# Altium PCB nPOC-BB_gamma_main-board.PcbDoc (part 2 of 3) (continued)
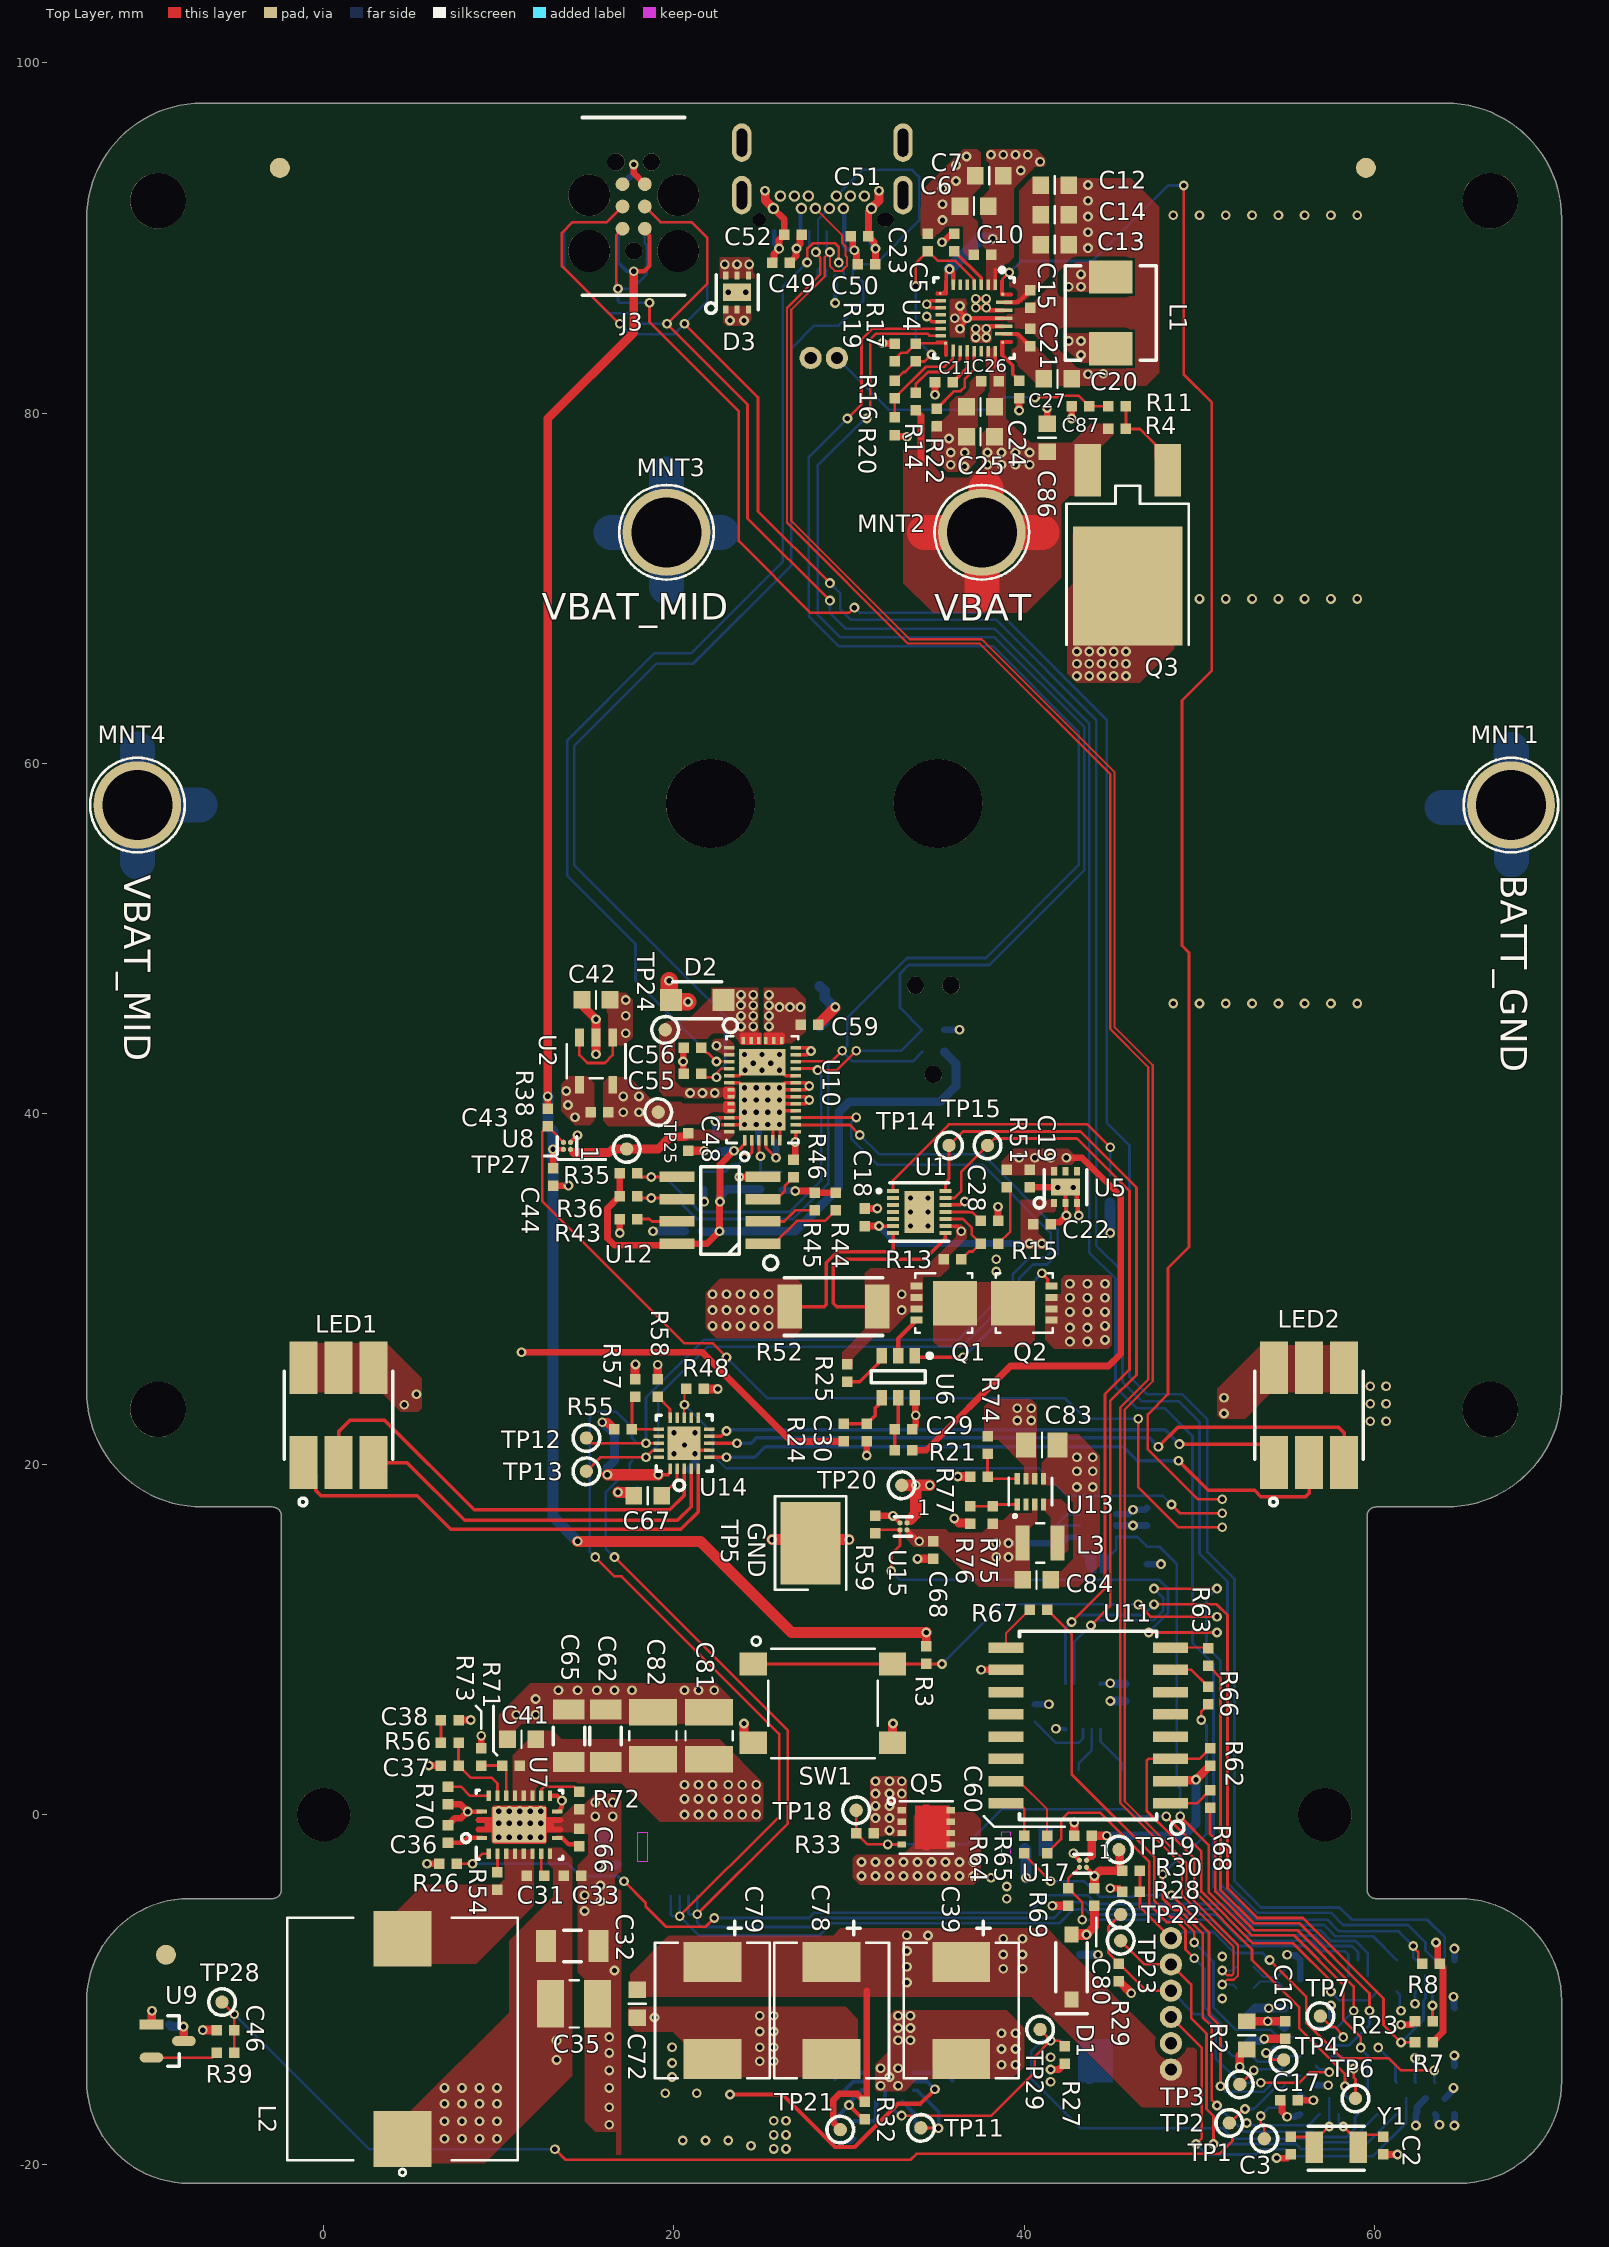
[diagram p0: Top Layer view]
## Part data (continued)
R76: library part CMP-00974-2, "SMD Chip Resistor, 137 kOhm, ± 1%, 63 mW, 0402 [1005 Metric], Thick Film, General Purpose", Case Code (Imperial)=0402, Case Code (Metric)=1005, Max Operating Temperature=155°C, Max Power Dissipation=63mW, Min Operating Temperature=-55°C, Power Rating=62.5mW, Temperature Coefficient=100ppm/°C, Tolerance=1%, Voltage Rating=50V, Case/Package=0402, Contact Plating=Tin,Matte, Features="Moisture Resistant", Height=0.016inch, Install=POP, Lead Free="Lead Free", Length=0.039inch, Number of Terminations=2, Packaging="Tape and Reel", RoHS Compliant=Yes, Series=RC, Technology="THICK FILM", Termination=SMD/SMT, Width=0.5mm, Working Voltage=50V
SB1: library part CMP-00777-4, "0 Ohm solder bridge jumper", Install=DNP
SC1 SC2 SC3 SC4 SC5 SC6: library part CMP-00992-3, "Cylindrical Battery Contacts, Clips, Holders & Springs C Cell Negative Battery Contact", Package Quantity=100, Contact Plating=Nickel, Install=POP, Lead Free="Lead Free", Material=Steel, Number of Batteries=1, Reach SVHC Compliant=No, RoHS Compliant=Yes, Series=-
SW1: library part CMP-011-00000-2, "Switch Tactile N.O. SPST Round Button Gull Wing 0.05A 12VDC 100000Cycles 1.57N SMD T/R", Case/Package=SMD/SMT, Color=Black, Contact Current Rating=50mA, Contact Resistance=100mR, Max Operating Temperature=60°C, Max Voltage Rating (DC)=12V, Min Operating Temperature=-20°C, Operating Force=160gf, Package Quantity=1, Actuator Length=0.85mm, Actuator Material=Nylon,Polyamide,PA66, Actuator Type=Standard, Contact Material=Silver, Contact Plating=Silver, Current Rating=50mA, Depth=9mm, Illumination Type=Non-Illuminated,Illuminated, Install=POP, Lead Free="Lead Free", Length=6mm, Max Current Rating=50mA, Mechanical Life=100000Cycles, Mounting Technology="Surface Mount", Number of Positions=2, Orientation=Straight, Packaging="Tape and Reel", Reach SVHC Compliant=No, RoHS Compliant=Yes, Series=PTS645, Size=6mm, Switch Function=Off-Mom, Termination="Gull Wing", Throw Configuration=SPST, Voltage Rating (DC)=12V
TP1 TP2 TP3 TP4 TP6 TP7 TP11 TP12 TP13 TP14 TP15 TP18 TP19 TP20 TP21 TP22 TP23 TP24 TP25 TP27 TP28 TP29: library part CMP-00021-4, "Test Point Circle 30", Install=DNP
TP5: library part CMP-00809-3, "Test point clip, SMT Phos Bronze/Silver 1000pc Tape & Reel", Color=White, Package Quantity=1, Contact Material=Bronze, Contact Plating=Silver, Depth=2.48mm, Height=0.09inch, Install=POP, Insulation Material=Polycarbonate, Lead Free="Lead Free", Length=3.81mm, Material=Bronze,Silver, Mounting Technology="Surface Mount", Number of Contacts=1, Number of Ports=1, Orientation=Straight, Packaging="Tape and Reel", Reach SVHC Compliant=No, RoHS Compliant=Yes, Series=-, Termination=Solder
U1: library part CMP-00482-3, "MAX17263 Series 4.9 V Single/Multi-Cell Ultra-Low Power Fuel-Gauge IC-TDFN-14EP", Install=POP, RoHS Compliant=Yes
U2: library part CMP-058-000001-2, "Fixed 5V LDO Voltage Regulators LDO CMOS LowCurr SOT25 TR 3K", Output Voltage=5V, Install=POP
U3: library part CMP-00812-4, "IC RTC CLK/CALENDAR I2C 10-SON", Case/Package="DFN EP", Max Operating Temperature=85°C, Max Supply Voltage=5.5V, Min Operating Temperature=-40°C, Min Supply Voltage=900mV, Package Quantity=4000, Date Format=Binary, Install=POP, Interface=I2C, Lead Free="Lead Free", Logic Function=Clock, Mounting Technology="Surface Mount", Packaging="Tape and Reel", Pins=10, Radiation Hardening=No, Reach SVHC Compliant=No, RoHS Compliant=Yes, Time Format=HH:MM:SS
U4: library part CMP-058-000000-7, "I2C Controlled, 1-4 Cell, 5-A Buck-Boost Battery Charger with Dual-Input", Mfr_Name="Texas Instruments", Design Item ID=BQ25792RQMR, Install=POP, RefDes=RefDes, RoHS Compliant=Yes, Source=PQ25792RQMR.SchLib, Type=TYPE
U5: library part CMP-01009-4, "LDO Regulator, 150 mA, 38 V, 1 µA IQ, with PG 3.3V WDFNW6", Input voltage max=38V, Package=WDFNW6, Install=POP, Output="3.3V fixed"
U6: library part CMP-01025-2, "Battery Protection Li-Ion/Li-Pol 6-Pin SOT-23 T/R", Over charge detection voltage=4.25V, Over discharge detection voltage=3V
U7: library part CMP-00928-3, "IC REG BOOST ADJ 10A SYNC 20VQFN", Case/Package=VQFN, Max Operating Temperature=85°C, Max Output Current=10A, Max Output Voltage=12.6V, Max Supply Voltage=12V, Min Input Voltage=2.7V, Min Operating Temperature=-40°C, Min Output Voltage=4.5V, Quiescent Current=110uA, Switching Frequency=2.2MHz, Efficiency=91%, Install=POP, Lead Free="Lead Free", Mounting Technology="Surface Mount", Number of Outputs=1, Operating Supply Voltage=12V, Output Configuration=Positive, Output Current=10A, Output Type=Adjustable, Output Voltage=12.6V, Packaging="Cut Tape", Pins=20, RoHS Compliant=Yes, Series=-, Synchronous Rectifier=Yes, Topology=Boost
U8 U15 U17: library part CMP-00215-5, "IC LOAD SWITCH W/DIS 1.5A 4WLCSP", Max Operating Temperature=85°C, Max Output Current=1.5A, Max Power Dissipation=400mW, Min Operating Temperature=-40°C, On-State Resistance=400mR, Operating Supply Voltage=5.5V, Package Quantity=3000, Halogen Free="Halogen Free", Install=POP, Interface=On/Off, Lead Free="Lead Free", Max Supply Current=1.5A, Mount="Surface Mount", Number of Outputs=1, Number of Pins=4, Output Configuration="High Side", Output Current=1.5A, Packaging="Tape and Reel", Power Dissipation=400mW, RoHS Compliant=Yes, Series=-, Turn-On Delay Time=195us
U9: library part CMP-00955-3, "SENSOR HALL ANALOG SOT23-3 / Hall Effect Sensor Single Axis SOT-23-3", Case/Package=SOT-23, Max Operating Temperature=125°C, Max Output Current=2.3mA, Max Supply Current=3.6mA, Max Supply Voltage=38V, Min Operating Temperature=-40°C, Min Supply Voltage=2.5V, Bandwidth=20kHz, Height=1.22mm, Lead Free="Lead Free", Length=2.92mm, Mounting Technology="Surface Mount", Output Current=2.3mA, Output Type="Analog Voltage", Packaging="Tape and Reel", Pins=3, Radiation Hardening=No, RoHS Compliant=Yes, Sensing Method="Hall Effect", Series="Automotive, AEC-Q100", Thickness=1mm, Width=1.3mm
U10: library part CMP-00653-5, "Highly integrated USB Type-C® and USB PD controller with pre-configured GUI 38-WQFN -40 to 125", Install=POP
U11: library part CMP-00954-4, "MX66L1G45G Series 1 Gb (1 G x 1) 2.7 - 3.6 V SMT Serial Flash Memory - SOP-16", Install=POP, RoHS Compliant=Yes
U12: library part CMP-00660-3, "IC EEPROM 256KBIT 400KHZ 8SOIC", Case/Package=SOIC, Clock Frequency=400kHz, Frequency=1MHz, Max Operating Temperature=85°C, Max Supply Voltage=5.5V, Min Operating Temperature=-40°C, Min Supply Voltage=1.8V, Operating Supply Voltage=5V, Supply Current=3mA, Access Time=500ns, Access Time-Max=900ns, Density=256Kb, Halogen Free="Halogen Free", Height=1.5mm, Install=POP, Interface=I2C,Serial, Lead Free="Lead Free", Length=5mm, Memory Format=Non-Volatile,EEPROM, Memory Size=32000, Mounting Technology="Surface Mount", Nominal Supply Voltage=5.5V, Organization=32KX8, Packaging="Tape and Reel", Pins=8, Radiation Hardening=No, Reach SVHC Compliant=No, RoHS Compliant=Yes, Series=-, Width=4mm, Write Cycle Time-Max (tWC)=5ms, Write Protection=YES
U13: library part CMP-00971-5, "3-V to 17-V, 1-A, high-efficiency, low-IQ, synchronous buck converter in SOT-583 package 8-SOT-5X3 -40 to 150", Install=POP
U14: library part CMP-00912-2, "6-Channel Light Effect LED Driver with I2C Interface 2.7V to 5.5V Input 20-Pin QFN T/R", Case/Package=QFN, Max Operating Temperature=85°C, Max Supply Voltage=5.5V, Min Operating Temperature=-40°C, Output Current per Channel=40mA, Dimming=I²C, Install=POP, Mounting Technology="Surface Mount", Number of Outputs=6, Packaging="Cut Tape", RoHS Compliant=Yes, Series=-
U16: library part CMP-00935-3, "6A/4A, 50-V, 2.2-MHz wide VIN boost, flyback, & SEPIC converter with dual random spread spectrum 16-WQFN -40 to 125", Install=POP
Y1 Y2: library part CMP-00624-3, "RT3215 Series 0.032768 ±20 ppm 9pF -40°C TO +85°C SMT Tuning Fork Crystal", Frequency Tolerance=20ppm, Load Capacitance=9pF, Max Operating Temperature=85°C, Min Operating Temperature=-40°C, Operating Frequency="32.768 kHz", Lead Free="Lead Free", RoHS Compliant=Yes
  Y1: Install=DNP
  Y2: Install=POP

## Free pads (board coordinates)
  round 1.143 smd paste-2539.97 mask+0.5: 1(-9,-8) 1(-2.5,94) 1(59.5,94)
  round 1.143 smd far side paste-2539.97 mask+0.5: 1(-9,-8) 1(-2.5,94) 1(59.5,94)
  round 3.175 hole 3.175 unplated: 2(-9.45,23.13) 2(-9.45,92.13) 2(66.6,23.13) 2(66.6,92.13)
  round 3.048 hole 3.048 unplated: 2(0,0) 2(57.15,0)
  round 5.08 hole 5.08 unplated: 2(22.075,57.721) 2(35.075,57.721)

## Via types
v1: diameter 0.559, hole 0.305, Top Layer to Bottom Layer, tented both sides, 632 vias

## Nets (pads, with @x,y where several pads share a name; then routed paths per layer and width w, separated by ;. In a path a pad name is that pad's centre, name@x,y a point inside that pad or via, vN(x,y) a via of type N, cw(c..) or ccw(c..) an arc to the next point about the centre after c; other vN are vias at no path point)
3V3: C44.2 C68.2 C80.2 C84.2 J3.1 J4.1 L3.2 Q6.4 R2.1 R3.2 R23.2 R29.2 R30.1 R37.2 R38.2 R69.1 R75.2 SB1.2 TP19.1 U8.A2 U13.3 U15.A2 U17.A2 | length 122.1
  Top Layer w0.25: v1(13.095,37.978) U8.A2@13.695,37.977 ; v1(17.7,88.1) 18.3,88.1 18.6,88.4 18.6,90.12 18.335,90.385 J3.1@18.335,90.53 ; U15.A2@33.3,16.254 33.313,16.254 33.967,15.6 v1(34,15.6) ; U17.A2@43.546,-3.007 43.546,-3.021 44,-3.474 v1(44,-3.5)
  Top Layer w0.381: R38.2@12.8,40.3 v1(12.8,41) ; v1(13.095,37.978) 13.1,37.972 C44.2@13.1,36.9 ; v1(61.5,-12) 62.1,-12 R23.2@62.3,-11.8
  Top Layer w0.5: v1(12.8,41) 12.8,79.7 17.7,84.6 v1(17.7,88.1) ; R3.2@34.4,9.6 v1(34.4,10.4) ; v1(41.6,-5.2) R69.1@42.5,-5.2 ; C80.2@44,-4.2 v1(44,-3.5) 44.3,-3.2 R30.1@45.6,-3.2 45.442,-3.042 TP19.1@45.442,-2.05 ; R29.2@45.4,-9.5 v1(46.1,-10.2) ; v1@52.3,-14.384 52.3,-13.75 52.65,-13.4 R2.1@52.7,-13.4
  Top Layer w0.635: v1(14.5,15.6) 21.5,15.6 26.7,10.4 v1(34.4,10.4)
  Bottom Layer w0.25: J4.1@17.065,90.53 17.065,90.385 16.8,90.12 16.8,88.6 17.287,88.113 17.687,88.113 v1(17.7,88.1) ; Q6.4@43.161,15.85 43.161,15.134 SB1.2@43.895,14.4
  Bottom Layer w0.3: R37.2@41.8,15.5 41.918,15.618 42.318,15.618 42.541,15.841 43.152,15.841 Q6.4@43.161,15.85
  Bottom Layer w0.381: v1(39.1,15.5) R37.2@41.8,15.5
  Bottom Layer w0.635: v1(12.8,41) 12.8,39.3 13.095,39.005 13.095,17.005 v1(14.5,15.6)
  other v1: 52.3,-14.4 38.4,14.7 39.1,14.7 38.4,15.5
3V3_FG_RTC: C4.1 C18.1 C22.2 U1.6 U3.10 U5.1 | length 12.8
  Top Layer w0.2: v1(31.7,33.6) U1.6@32.504,33.6
  Top Layer w0.381: C18.1@30.9,33.6 v1(31.7,33.6)
  Bottom Layer w0.25: U3.10@44.346,7.47 44.346,7.483 44.348,7.485 44.885,7.485 v1(44.9,7.5)
  Bottom Layer w0.381: v1(31.7,33.6) 32.7,32.6 v1(41,32.6) ; v1(44.9,7.5) v1@44.93,7.47
  Bottom Layer w0.5: v1@44.93,7.47 C4.1@45.746,7.47
  other v1: 40.3,32.6
3V3_FLASH: C47.2 C60.2 R62.1 U11.2 U17.A1 | length 13.8
  Top Layer w0.25: U17.A1@43.546,-2.607 43.593,-2.607 43.846,-2.354
  Top Layer w0.5: 43.846,-2.354 C60.2@43.846,-1.207 ; C60.2@43.853,-1.2 v1(44.7,-1.2) ; U11.2@48.345,1.918 48.395,1.968 49.752,1.968 49.784,2 v1(49.8,2) R62.1@50.6,2.8
  Bottom Layer w0.5: C47.2@43.846,-1.207 44.693,-1.207 v1(44.7,-1.2) 49.1,-1.2 49.8,-0.5 v1(49.8,2)
3V3_L: L3.1 U13.4
3V3_PD: C48.2 TP27.1 U8.A1 U10.38 | length 7.3
  Top Layer w0.25: U8.A1@14.095,37.977 14.272,37.8
  Top Layer w0.5: 14.272,37.8 16.3,37.8 16.5,38 19.1,38 19.795,38.695 20.622,38.695 C48.2@20.822,38.895
3V3_PD_EN: MD1.58 R38.1 U8.B2 | length 87.6
  Top Layer w0.152: U8.B2@13.695,38.378 12.8,39.272 R38.1@12.8,39.3 12.476,38.976 12.476,35.024 20.6,26.9 22.226,26.9 23,26.126 v1(23,26.1) ; v1(46.5,22.6) 46.5,18.7 48.8,16.4 v1@51.289,16.4
  Layer 2 w0.152: v1(51.3,16.4) 53.3,14.4 53.3,-1.9 61.5,-10.1 v1(61.5,-11.2)
  Bottom Layer w0.152: v1(23,26.1) 25.335,23.765 42.335,23.765 43.5,22.6 v1(46.5,22.6) ; MD1.58@61.25,-10.1 61.428,-10.278 61.428,-11.128 v1(61.5,-11.2)
3V3_R: C16.2 C17.2 MD1.17 MD1.65 R2.2 | length 11
  Top Layer w0.381: C17.2@55.6,-16.3 v1(56.5,-16.3)
  Top Layer w0.5: R2.2@52.7,-11.8 v1(53.9,-11.8) C16.2@54.9,-11.8
  Layer 3 w0.5: v1(53.9,-11.8) 54.5,-11.8 54.8,-12.1 54.8,-14.6 v1(56.5,-16.3)
  Bottom Layer w0.381: MD1.17@55.75,-16 56.05,-16.3 v1(56.5,-16.3)
  Bottom Layer w0.5: v1@53.916,-11.8 54.5,-11.8 MD1.65@54.846,-12.146
3V3_SW: C45.2 C63.2 C64.2 J2.1 J2.2 LED1.4 LED1.5 LED1.6 LED2.4 LED2.5 LED2.6 R5.2 R6.2 R7.2 R8.2 R55.2 TP20.1 U9.1 U14.1 U15.A1 | length 19.2
  Top Layer w0.2: v1(19.1,19.4) 19.659,19.4 19.776,19.517 U14.1@19.776,19.754
  Top Layer w0.25: U15.A1@33.3,16.654 33.5,16.854 ; 33.8,17.154 33.901,17.054
  Top Layer w0.381: R7.2@63.3,-13 63.903,-12.397 63.903,-8.703 63.591,-8.391 63.591,-7.439 63.5,-7.348 v1(63.5,-7.3)
  Top Layer w0.5: U9.1@-9.826,-11.971 -9.811,-11.957 -9.811,-11.211 v1(-9.8,-11.2) ; v1(15.9,22.4) 16.2,22.4 R55.2@16.6,22
  Top Layer w0.635: v1(16.2,19.4) v1(19.1,19.4) ; TP20.1@33,18.8 v1(33.8,18.8) ; 33.5,16.854 33.8,17.154 v1(33.8,18.8) ; v1(34.6,18.8) v1(33.8,18.8)
  Bottom Layer w0.5: v1(15.9,22.4) 16.6,21.7 R6.2@16.6,21.5 R5.2@16.6,20.2 16.211,19.811 16.211,19.411 v1(16.2,19.4)
  other v1: 51.4,22.9 4.6,23.4 51.4,23.8 5.3,24
5V: C1.2 C43.2 MD1.66 Q6.2 R31.2 TP25.1 U2.5 U10.34 U10.35 | length 4.1
  Bottom Layer w0.381: Q6.2@45.239,16.5 R31.2@47,16.5
  Bottom Layer w0.5: C1.2@52.7,-11.5 52.725,-11.5 53.186,-11.039 53.939,-11.039 v1(53.95,-11.05) MD1.66@54.85,-11.05
  other v1: 46.2,16.5 38.4,31 38.4,31.7 17.1,40.1 18,40.1 17.1,41 18,41
A0: R44.2 U12.1 | length 4.9
  Top Layer w0.152: U12.1@25.073,32.59 25.717,32.59 27.023,33.895 28.623,33.895 R44.2@29.222,34.495
A1: R45.2 U12.2 | length 3.2
  Top Layer w0.152: U12.2@25.073,33.86 26.287,33.86 26.922,34.495 R45.2@28.022,34.495
A2: R46.2 U12.3 | length 2.4
  Top Layer w0.152: U12.3@25.073,35.13 25.296,35.354 26.081,35.354 26.323,35.595 26.323,35.895 R46.2@26.822,36.395
AD: R55.1 R57.2 U14.16 | length 3.5
  Top Layer w0.152: R57.2@17.776,23.854 17.6,23.678 R55.1@17.6,22 17.604,22.004 U14.16@19.126,22.004
ADCIN1: R41.1 R49.2 U10.2 | length 3.8
  Top Layer w0.152: v1@24.106,37.479 24.122,37.495 24.148,37.495 24.449,37.797 U10.2@24.449,38.488
  Bottom Layer w0.152: R49.2@21.722,36.695 R41.1@22.922,36.695 23.323,37.095 23.623,37.095 v1(24.022,37.495)
ADCIN2: R42.1 R50.2 U10.3 | length 3
  Top Layer w0.152: U10.3@24.849,38.488 24.849,37.669 v1(24.936,37.582)
  Bottom Layer w0.152: v1(24.936,37.582) 24.936,36.708 R42.1@24.923,36.695 R50.2@26.122,36.695
BATP: R14.2 U4.18 | length 4.1
  Top Layer w0.152: R14.2@33.8,81.154 33.8,81.654 34.5,82.354 35.6,82.354 36.331,83.085 U4.18@36.331,83.547
BATT_DISCONN: Q3.1 R4.1 R11.2 | length 5.1
  Top Layer w0.152: R11.2@45.8,80.4 R4.1@45.8,79.1 46.6,79.1 47.511,78.189 47.511,77.417 Q3.1@48.185,76.743
BATT_GND: C29.1 C30.1 MNT1.1 Q2.1 Q2.2 Q2.3 SC1.1 SC2.1 SC3.1 U6.6 | length 27
  Top Layer w0.381: v1(31,20.5) C30.1@31,21.3 ; C29.1@33.6,22 33.8,22.2 v1(33.8,22.8) 33.775,22.825 33.775,23.675 U6.6@33.75,23.7
  Layer 2 w2: 64.2,57.7 64.27,57.63 MNT1.1@67.78,57.63 ; 67.8,53.9 67.78,53.92 MNT1.1@67.78,57.63 ; 67.8,61.2 67.78,61.18 MNT1.1@67.78,57.63
  Bottom Layer w2: 63.85,57.5 67.65,57.5 MNT1.1@67.78,57.63 67.78,60.78 67.8,60.8 67.8,54.5
  other v1: 59.75,22.45 60.65,22.45 59.75,23.45 60.65,23.45 59.75,24.45 60.65,24.45 42.6,27 43.6,27 44.6,27.1 42.6,27.8 43.6,27.8 44.6,27.9 42.6,28.7 43.6,28.7 44.6,28.7 42.6,29.5 43.6,29.5 44.6,29.5 42.6,30.3 43.6,30.3 44.6,30.3 48.5,46.3 50,46.3 51.5,46.3 53,46.3 54.5,46.3 56,46.3 57.5,46.3 59,46.3 50,69.4 51.5,69.4 53,69.4 54.5,69.4 56,69.4 57.5,69.4 59,69.4 48.5,91.3 50,91.3 51.5,91.3 53,91.3 54.5,91.3 56,91.3 57.5,91.3 59,91.3
BP_VC: C30.2 R24.2 U6.4 | length 3.1
  Top Layer w0.2: R24.2@29.7,22.3 C30.2@31,22.3 31.5,22.8 31.5,23.233 31.617,23.35 31.65,23.35 31.85,23.55 U6.4@31.85,23.7
BP_VDD: C29.2 R21.2 U6.5 | length 3
  Top Layer w0.2: R21.2@32.6,20.8 C29.2@32.6,22 32.8,22.2 U6.5@32.8,23.7
BQ_IN: C6.2 C7.2 C8.2 C9.2 C10.2 C57.2 C58.2 C59.2 U4.2 U4.3 U4.8 U4.9 U10.20 U10.21 U10.22 | length 6.8
  Top Layer w0.2: U4.9@35.193,86.835 35.343,86.835 35.531,87.022 35.531,88.022 v1(35.731,88.222) ; U4.2@38.331,87.322 38.331,88.222
  Top Layer w0.25: v1(35.731,88.222) 35.931,88.022 U4.8@35.931,87.322
  Bottom Layer w0.7: v1(35.731,88.222) 37.462,89.954 v1(38.2,89.954)
  other v1: 25.422,44.995 25.422,45.595 26.022,46.095 26.622,46.095 27.222,46.095 25.422,46.195 25.422,46.795 39.8,93.854 40.9,94.354 38.1,94.754 38.8,94.754 39.5,94.754 40.2,94.754
BRAKE_N: J1.1 MD1.48 R28.1 R30.2 | length 24.6
  Top Layer w0.152: R30.2@46.6,-3.2 R28.1@46.6,-4.4 46.6,-5.28 J1.1@48.37,-7.05 ; v1(54,-8.3) 56.1,-10.4 56.1,-11.9 58.1,-13.9 60.8,-13.9 61.5,-14.6 v1(63.4,-14.6)
  Bottom Layer w0.152: J1.1@48.37,-7.05 48.668,-7.05 49.018,-6.7 50.8,-6.7 52,-7.9 53.6,-7.9 v1(54,-8.3) ; v1(63.4,-14.6) 63.4,-15.25 MD1.48@63.45,-15.3
BTST1: C5.2 U4.4 | length 2.6
  Top Layer w0.2: C5.2@36,89.254 37.531,87.722 U4.4@37.531,87.322
BTST2: C11.2 U4.19 | length 2.2
  Top Layer w0.2: C11.2@35.9,81.754 36.731,82.585 36.731,82.785 U4.19@36.731,83.562
CELLX: R13.1 R15.1 U1.10 | length 4.3
  Top Layer w0.152: U1.10@35.496,34 36.5,34 37,33.5 37,33.1 R15.1@37.5,32.6 37.05,32.15 36.85,32.15 R13.1@36.4,31.7
CHG_STAT: MD1.60 R23.1 U4.1 | length 129.1
  Top Layer w0.152: U4.1@38.762,86.791 38.762,87.654 v1(39.143,88.035) ; v1(49.1,93) 49.1,82.2 50.7,80.6 50.7,65.3 49,63.6 49,49.6 49.4,49.2 49.4,32.4 48.2,31.2 48.2,24 47.05,22.85 47.05,20.85 49.9,18 v1@51.289,18 ; R23.1@63.3,-11.8 v1(63.3,-10.9) v1@63.317,-10.883
  Layer 2 w0.152: v1(51.3,18) 54.1,15.2 54.1,-1.4 62.7,-10 62.7,-10.3 v1(63.3,-10.9)
  Bottom Layer w0.152: v1(39.143,88.035) 39.797,88.689 43.889,88.689 48.2,93 v1(49.1,93) ; v1(63.3,-10.9) 63.3,-10.25 MD1.60@63.45,-10.1
CHG_THERM: R17.1 R19.2 U4.16 | length 3.4
  Top Layer w0.152: R19.2@32.5,82.954 33,83.454 33.3,83.454 R17.1@33.8,83.954 ; R17.1@33.837,83.991 U4.16@35.5,83.991
COUT: Q1.4 U6.2 | length 2.6
  Top Layer w0.25: U6.2@32.8,26.1 32.8,27.175 Q1.4@33.85,28.225
CW/CCW: J1.4 MD1.6 | length 22.8
  Top Layer w0.152: J1.4@48.37,-11.55 50.121,-13.301 50.121,-18.479 v1(49.8,-18.8)
  Bottom Layer w0.152: v1(49.8,-18.8) 50.4,-19.4 53.2,-19.4 53.5,-19.1 54.9,-19.1 55.3,-19.5 59.9,-19.5 61.8,-17.6 MD1.6@61.8,-16.2
DOUT: Q2.4 U6.1 | length 10.4
  Top Layer w0.2: U6.1@33.75,26.1 v1(36.5,26.1) ; v1(41,30.9) 41.339,30.561 41.339,30.275 41.439,30.175 Q2.4@41.55,30.175
  Bottom Layer w0.2: v1(36.5,26.1) 40.3,29.9 40.3,30.2 v1(41,30.9)
DRAIN: U10.15 U10.30 U10.40 | length 2.1
  Top Layer w0.2: U10.30@23.149,42.188 23.729,42.188 24.036,42.495 v1(24.055,42.495) ; v1(26.022,42.495) 26.062,42.495 26.369,42.188 U10.15@26.949,42.188
  other v1: 25.023,42.495 24.522,42.895 25.522,42.895 24.022,43.395 25.023,43.395 26.022,43.395
FLASH_PWR_EN: MD1.31 R69.2 U17.B2 | length 18.1
  Top Layer w0.152: U17.B2@43.146,-3.007 42.5,-3.653 R69.2@42.5,-4.2 43.3,-5 v1(43.3,-6)
  Bottom Layer w0.152: v1(43.3,-6) 50.7,-6 52.2,-7.5 56.05,-7.5 MD1.31@56.85,-8.3
FLASH_RESET_N: MD1.12 R62.2 U11.3 | length 28
  Top Layer w0.152: R62.2@50.6,3.8 49.988,3.188 U11.3@48.345,3.188 47.077,3.188 46.988,3.099 46.988,0.212 48.4,-1.2 49.7,-2.5 49.7,-4.4 53,-7.7 53,-8.3 55.7,-11 55.7,-12.2 58.3,-14.8 v1(58.3,-15.5)
  Bottom Layer w0.152: v1(58.3,-15.5) 58.322,-15.522 58.322,-16.022 MD1.12@58.5,-16.2
GND: C1.1 C2.1 C3.1 C4.2 C6.1 C7.1 C8.1 C9.1 C10.1 C12.1 C13.1 C14.1 C15.1 C16.1 C17.1 C19.1 C20.1 C21.1 C22.1 C23.1 C24.1 C25.1 C26.1 C27.1 C32.1 C33.2 C34.2 C35.1 C36.1 C37.1 C38.1 C39.2 C40.1 C41.1 C42.1 C43.1 C44.1 C45.1 C46.1 C47.1 C48.1 C49.1 C50.1 C51.1 C52.1 C53.1 C54.1 C55.1 C56.1 C57.1 C58.1 C59.1 C60.1 C61.1 C62.1 C63.1 C64.1 C65.1 C66.1 C67.2 C68.1 C69.1 C70.1 C71.1 C72.1 C73.1 C74.1 C75.1 C76.1 C78.2 C79.2 C80.1 C81.1 C82.1 C83.1 C84.1 C85.1 C86.1 C87.2 D1.A D2.A D3.1 D3.2 D3.3 D3.7 D4.3 D4.8 J2.39 J2.40 J2.MNT1 J2.MNT2 J3.5 J4.5 J7.13 J7.14 J7.15 J7.16 J7.A1 J7.A12 J7.B1 J7.B12 J8.4 J9.2 MD1.1 MD1.2 MD1.3 MD1.4 MD1.5 MD1.16 MD1.18 MD1.29 MD1.30 MD1.45 MD1.46 MD1.47 MD1.55 Q4.1 Q4.2 Q4.3 Q5.1 Q5.2 Q5.3 Q6.1 R1.1 R12.2 R19.1 R20.1 R22.1 R26.2 R27.2 R28.2 R31.1 R33.1 R34.1 R40.1 R43.1 R44.1 R45.1 R46.1 R48.2 R49.1 R50.1 R52.1 R57.1 R58.2 R59.2 R60.1 R61.1 R70.1 R72.1 R73.1 R76.1 R77.1 SW1.3 SW1.4 TP5.1 U1.7 U2.2 U2.4 U3.5 U4.10 U4.11 U4.13 U4.27 U5.2 U5.3 U5.EP U7.11 U7.12 U7.20 U7.21 U8.B1 U9.3 U10.5 U10.6 U10.7 U10.10 U10.11 U10.12 U10.13 U10.14 U10.18 U10.19 U10.26 U10.27 U10.31 U10.36 U10.37 U10.39 U11.10 U12.4 U13.5 U14.7 U14.21 U15.B1 U16.1 U16.7 U16.15 U16.16 U16.17 U17.B1 | length 150.8
  Top Layer w0.152: U10.39@25.049,40.423 25.649,39.823 U10.5@25.649,38.488 ; v1(26.022,39.395) 26.049,39.369 U10.6@26.049,38.488
  Top Layer w0.2: U14.21@21.404,20.804 U14.7@22.026,20.804 ; U10.31@23.149,41.788 23.719,41.788 24.012,41.495 v1(24.022,41.495) ; v1(24.022,39.395) 24.015,39.388 22.54,39.388 22.366,39.561 v1(22.366,39.588) 22.566,39.788 23.824,39.788 24.022,39.986 v1(24.022,40.095) ; v1(26.022,40.095) 26.115,40.188 U10.10@26.949,40.188 ; R52.1@26.45,29 28.583,29 28.7,29.117 28.7,31.5 29.327,32.127 32.387,32.127 32.504,32.244 U1.7@32.504,33.2 ; v1(26.922,38.395) 26.949,38.422 U10.7@26.949,38.988 ; U10.18@26.949,43.388 27.615,43.388 v1(27.822,43.595) 27.63,43.788 U10.19@26.949,43.788 ; v1(34.431,85.522) 34.731,85.222 U4.13@35.231,85.222 ; U4.11@35.231,86.022 34.631,86.022 v1(34.431,86.222) 34.631,86.422 U4.10@35.231,86.422 ; v1(26.022,40.795) 26.23,40.588 U10.11@26.949,40.588 27.515,40.588 v1(27.722,40.795) 27.53,40.988 U10.12@26.949,40.988 26.215,40.988 v1(26.022,40.795) ; v1(26.022,41.495) 26.13,41.388 U10.13@26.949,41.388 27.515,41.388 v1(27.722,41.595) 27.53,41.788 U10.14@26.949,41.788 26.315,41.788 v1(26.022,41.495)
  Top Layer w0.25: v1(8.228,0.172) U7.20@9.024,0.172 ; v1(11.2,-1.3) v1(11.2,-0.5) ; U7.12@12.924,1.072 13.328,1.072 v1(13.6,0.8) 13.6,0.4 13.372,0.172 U7.11@13.324,0.172 ; U8.B1@14.095,38.378 v1(14.495,38.777) ; v1(21.2,20.6) U14.21@21.404,20.804 ; v1(32.5,17.054) U15.B1@32.899,16.654 ; v1@35.931,85.422 v1(36.031,85.422) v1(36.731,85.422) ; v1(36.331,84.822) 36.331,84.922 36.731,85.322 v1(36.731,85.422) ; v1(36.331,86.122) 36.331,85.822 v1(36.731,85.422) ; U4.27@38.831,85.422 v1(36.731,85.422) ; v1(42.4,34.2) 42.375,34.225 42.375,34.825 42.35,34.85 U5.EP@42.35,35.825 42.775,35.825 v1(42.8,35.8) ; U5.EP@42.5,35.825 42.663,35.662 42.788,35.662 43,35.45 43,34.775 43.046,34.729 43.046,34.254 v1(43.1,34.2) ; v1(42.8,-2.2) 42.8,-2.261 U17.B1@43.146,-2.607
  Top Layer w0.381: v1(5.9,-2.8) R26.2@6.6,-2.8 ; v1(6,2.8) C37.1@6.7,2.8 ; C36.1@7.1,-0.6 7.5,-0.2 7.855,-0.2 v1(8.228,0.172) 7.8,0.6 R70.1@7.1,0.6 ; C38.1@7.7,5.4 v1(8.4,5.4) ; R73.1@9,3.8 v1(9,4.5) ; v1@10.9,5.7 v1(11,5.7) ; C44.1@13.1,35.9 13.102,35.903 13.975,35.903 v1(13.978,35.905) ; v1(16.5,0.7) v1@16.5,0.8 ; v1(16.9,33.2) R43.1@16.9,34 ; v1(17.7,94.2) 17.7,93.705 J3.5@18.335,93.07 ; C55.1@20.522,42.295 v1(20.522,42.995) C56.1@20.522,43.795 ; v1(23.723,36.395) 23.727,36.4 U12.4@25.073,36.4 U12.4@25.717,36.4 ; C49.1@25.6,88.594 25.709,88.703 25.709,89.082 26,89.372 v1(26,89.394) 26,89.894 C52.1@26.3,90.194 26.3,91.064 J7.B12@25.67,91.694 ; R46.1@26.822,37.395 26.922,37.495 v1(26.922,38.395) ; v1(26.922,35.595) 27.922,35.595 R45.1@28.022,35.495 R44.1@29.222,35.495 ; J7.B1@31.27,91.694 31.1,91.524 C51.1@31.1,90.094 31.425,89.769 31.425,89.469 v1(31.5,89.394) ; R59.2@31.5,17.054 v1(32.5,17.054) ; C50.1@31.5,88.5 v1(31.5,89.394) ; v1(31.9,84) 31.923,83.977 32.576,83.977 R19.1@32.6,83.954 ; R20.1@32.6,78.754 32.666,78.688 33.266,78.688 v1(33.3,78.654) ; v1(37.532,8.268) U11.10@38.947,8.268 ; v1(39.7,80.154) C27.1@39.7,80.854 ; C19.1@40.3,35.8 40.312,35.813 U5.EP@41.925,35.813 ; C86.1@41.3,79.4 v1(41.3,80.3) ; v1(41.5,-14.554) 41.975,-14.554 R27.2@42.3,-14.229 ; C22.1@41.5,33.7 41.609,33.81 42.009,33.81 v1(42.4,34.2) ; v1(41.9,35.8) 41.925,35.825 U5.EP@42.35,35.825 ; v1(42.7,79.7) C87.2@42.7,80.4 ; v1(44.9,-4.2) 45.4,-4.2 R28.2@45.6,-4.4 ; v1(54.4,-19.6) 54.407,-19.607 54.993,-19.607 C3.1@55.2,-19.4 ; C17.1@54.6,-16.3 54.709,-16.409 54.709,-16.961 v1(55,-17.252) ; C2.1@60.5,-19.4 61.2,-19.4 v1(61.3,-19.4)
  Top Layer w0.5: v1(-8,-12.1) -7.989,-12.111 -7.989,-12.908 U9.3@-7.975,-12.921 ; v1(-6.9,-12.3) C46.1@-6.1,-12.3 ; C42.1@14.751,46.506 14.751,46.206 v1(15.551,45.406) U2.2@15.551,44.359 v1(15.551,43.406) ; R57.1@17.776,24.854 17.776,25.676 v1(17.8,25.7) ; R58.2@19.076,24.854 v1(19.076,25.676) ; C48.1@20.872,37.895 v1(21.722,37.895) ; R48.2@21.7,24.3 v1(22.5,24.3) ; v1(24,5.2) 24,4.5 24.4,4.1 SW1.3@24.525,4.1 ; v1(25.2,92.7) 25.211,92.689 25.211,92.152 J7.B12@25.641,91.722 ; J7.B1@31.27,91.694 31.7,92.124 v1(31.7,92.7) ; SW1.4@32.475,4.1 32.475,5.175 v1(32.5,5.2) ; v1(33.9,14.6) C68.1@34.8,14.6 ; v1(36,16.9) 36.016,16.9 36.266,16.65 36.85,16.65 R76.1@36.9,16.6 ; v1(36.2,19.3) R77.1@36.9,19.3 ; C60.1@42.846,-1.207 v1(42.846,-0.446) ; v1(43.55,-6.85) 44,-6.4 C80.1@44,-5.2 ; v1(53.7,-12.8) C16.1@54.9,-12.8
  Top Layer w0.6: C59.1@28.222,45.095 v1@29.2,46.073
  Top Layer w0.635: v1(16.8,18.4) 16.818,18.382 17.542,18.382 17.7,18.225 C67.2@17.7,18.2 ; v1(25.6,15.7) 27.6,15.7 TP5.1@27.8,15.5 28,15.7 v1(30,15.7) ; D1.A@42.7,-6.85 v1(43.55,-6.85)
  Top Layer w1: v1(19.722,47.595) 19.722,46.495 19.822,46.395 v1(20.797,46.395)
  Bottom Layer w0.24: v1(31.795,-15.48) 32.045,-15.73 U16.7@32.045,-16.38
  Bottom Layer w0.25: J7.A1@25.72,90.384 25.72,89.674 v1(26,89.394) ; v1(29.2,86.294) D4.3@29.2,87.819 ; J7.A12@31.22,90.384 31.22,89.674 v1(31.5,89.394) ; v1(41.8,4.9) 41.81,4.89 42.344,4.89 42.346,4.888 U3.5@42.346,4.879
  Bottom Layer w0.381: J4.5@17.065,93.07 17.7,93.705 v1(17.7,94.2) ; v1(21.722,34.995) R49.1@21.722,35.695 ; v1(22.366,39.588) 22.366,38.951 C53.1@22.523,38.795 ; v1(24.697,39.395) 24.697,39.347 24.823,39.222 C54.1@24.823,38.395 ; R50.1@26.16,35.658 26.188,35.629 26.888,35.629 v1(26.922,35.595) v1@26.949,35.595 ; J8.4@35.435,44.8 v1(36.3,44.8) ; R12.2@40.6,6.3 v1(41.4,6.3) ; Q6.1@45.239,17.15 45.95,17.15 v1(46.2,17.4) 46.9,17.4 R31.1@47,17.5 ; R40.1@47,14.3 v1(47.8,14.3) ; v1(55,-17.252) 55.463,-17.252 55.552,-17.163 55.686,-17.163 MD1.16@55.75,-17.1 ; v1(55,-8) 55.034,-8.034 55.484,-8.034 MD1.30@55.75,-8.3 MD1.29@55.75,-9.4 ; MD1.18@56.65,-15.45 v1(57.35,-15.45) ; v1(57.5,-10.9) 57.525,-10.925 57.525,-11.575 MD1.55@57.55,-11.6 ; v1(62.35,-17.75) MD1.5@62.35,-17.1 62.413,-17.036 62.413,-16.686 MD1.4@62.9,-16.2 ; MD1.3@63.45,-17.1 63.513,-17.163 63.513,-17.465 63.7,-17.652 v1(63.7,-17.7) ; MD1.2@64,-16.2 64.466,-15.734 64.466,-15.634 v1(64.5,-15.6) ; v1(64.5,-10.4) 64.525,-10.425 64.525,-11.025 MD1.46@64.55,-11.05 ; v1(64.55,-17.75) MD1.1@64.55,-17.1 ; MD1.47@64.55,-14.35 v1(64.55,-13.75) ; MD1.45@64.55,-8.3 v1(64.55,-7.65)
  Bottom Layer w0.5: C45.1@-8.8,-12 -8.7,-12.1 v1(-8,-12.1) ; v1(15.7,-2.9) 16.696,-2.9 J2.MNT1@16.767,-2.829 ; v1(16.8,18.4) 16.816,18.4 16.866,18.45 17.85,18.45 C63.1@17.9,18.5 ; v1(18.8,33.3) C61.1@20.6,33.3 ; C64.1@20.9,19.7 21.2,20 v1(21.2,20.6) ; C47.1@42.846,-1.207 v1(42.846,-0.446) ; C40.1@43.2,-8 v1(44.2,-8) ; v1(44.911,6.489) 45.728,6.489 C4.2@45.746,6.47 ; C1.1@52.7,-13.1 52.889,-12.911 53.573,-12.911 53.684,-12.8 v1(53.7,-12.8)
  Bottom Layer w0.6: C57.1@28.323,44.995 28.598,45.27 28.598,45.498 v1@29.161,46.061 ; C58.1@28.323,47.295 28.598,47.02 28.598,46.625 v1@29.161,46.061 ; v1@29.2,46.023 v1@29.161,46.061 ; v1(29.2,46.1) v1@29.161,46.061
  Bottom Layer w0.635: J2.MNT2@40.025,-1.947 40.1,-2.022 v1(40.1,-3.6)
  other v1: 25.695,-19.08 26.395,-19.08 24.4,-18.9 20.5,-18.6 21.8,-18.6 23.1,-18.6 25.695,-18.28 26.395,-18.28 16.3,-17.7 25.695,-17.48 26.395,-17.48 16.3,-16.7 16.3,-15.6 32.795,-15.48 41.5,-15.254 32.295,-14.98 16.3,-14.6 31.795,-14.48 32.795,-14.48 38.695,-14.28 39.495,-14.28 24.895,-14.08 25.695,-14.08 41.5,-13.854 16.3,-13.6 38.695,-13.38 39.495,-13.38 24.895,-13.28 25.695,-13.28 32.795,-12.88 33.495,-12.88 16.3,-12.7 38.695,-12.48 39.495,-12.48 24.895,-12.38 25.695,-12.38 32.795,-12.18 33.495,-12.18 18.895,-11.58 24.895,-11.48 25.695,-11.48 32.795,-11.48 33.495,-11.48 51.3,-10.5 16.6,-8.9 51.3,-8.1 14.9,-5.5 15.8,-4.95 39,-4.8 14.9,-4.6 39,-4.1 15.8,-4.05 38.1,-3.6 10,-1.3 10.6,-1.3 11.8,-1.3 12.4,-1.3 32.3,-0.9 10,-0.5 10.6,-0.5 11.8,-0.5 12.4,-0.5 31.5,-0.2 32.3,-0.2 15.5,-0.1 16.5,-0.1 10,0.2 10.6,0.2 11.2,0.2 11.8,0.2 12.4,0.2 31.5,0.5 32.3,0.5 15.5,0.7 31.5,1.2 32.3,1.2 33,1.2 31.5,1.9 32.3,1.9 33,1.9 12.1,5.7 12.1,6.6 13.4,7.1 14.5,7.1 15.6,7.1 16.6,7.1 17.6,7.1 20.6,7.1 21.4,7.1 22.3,7.1 43,18.7 43.9,18.7 43,19.6 43.9,19.6 43,20.4 43.9,20.4 20,20.6 20.6,21.1 20,21.8 21.2,21.8 22.2,27.9 23,27.9 23.8,27.9 24.6,27.9 25.4,27.9 22.2,28.8 23,28.8 23.8,28.8 24.6,28.8 25.4,28.8 22.2,29.7 23,29.7 23.8,29.7 24.6,29.7 25.4,29.7 25.348,39.395 14.351,39.806 24.697,40.095 25.348,40.095 13.951,40.506 24.022,40.795 24.697,40.795 25.348,40.795 13.851,41.306 24.697,41.495 25.348,41.495 22.422,43.895 36.581,76.954 35.8,77.054 35.8,77.754 36.6,77.754 35.7,78.554 43.631,82.222 44.5,82.254 23.2,85.294 24,85.294 23.1,86.894 24.1,86.894 43.631,89.422 43.631,90.322 35.331,91.022 43.631,91.222 35.331,91.922 43.631,92.122 35.331,92.822 43.631,93.022 36.1,93.254 36.1,94.154 36.7,94.654
GND_CHG_DSG: Q1.5 Q1.6 Q1.7 Q1.8 Q2.5 Q2.6 Q2.7 Q2.8
GND_SNS_N: C18.2 C28.1 Q1.1 Q1.2 Q1.3 R13.2 R18.1 R25.2 R52.2 U1.8 U1.9 U1.12 U1.15 | length 17.5
  Top Layer w0.2: R52.2@31.75,29 29.3,29 29.1,29.2 29.1,31.3 29.5,31.7 34.3,31.7 35.5,32.9 35.496,32.904 U1.8@35.496,33.2 ; U1.9@35.496,33.6 36.2,33.6 ; U1.12@35.496,34.8 36,34.8 36.303,34.8 36.503,35 v1(36.6,35) ; v1@36.4,33.2 v1(36.4,33.3)
  Top Layer w0.381: C18.2@30.9,34.6 v1(31.6,34.6) v1@31.7,34.6 ; C28.1@38.5,33.9 v1(38.5,34.7)
  Bottom Layer w0.635: v1(44.9,33.2) R18.1@44.9,34.9
  other v1: 33,28.8 33,29.7 33.5,33.6 34.5,33.6 33.5,34.4 34.5,34.4 33.5,35.2 34.5,35.2
HALL_OUT: C46.2 MD1.15 R39.2 TP28.1 | length 69.9
  Top Layer w0.152: TP28.1@-5.8,-10.7 v1(-5.1,-11.4) C46.2@-5.1,-12.3 R39.2@-5.1,-13.6 ; v1(13.2,-19.1) 13.8,-19.7 33.5,-19.7 33.835,-19.365 51.135,-19.365 51.879,-18.621 51.879,-18.421 v1(52.7,-17.6)
  Bottom Layer w0.152: v1(-5.1,-11.4) 2.6,-19.1 v1(13.2,-19.1) ; v1@52.711,-17.6 52.81,-17.6 52.944,-17.734 56.216,-17.734 MD1.15@56.85,-17.1
HALL_UNFILT: R39.1 U9.2 | length 3.8
  Top Layer w0.152: U9.2@-9.826,-13.871 -6.371,-13.871 R39.1@-6.1,-13.6
HEATER_CATHODE: J2.23 J2.24 J2.25 J2.26 J2.27 J2.28 J2.29 J2.30 J2.31 J2.32 J2.33 J2.34 J2.35 J2.36 J2.37 J2.38 Q5.5 Q5.6 Q5.7 Q5.8
  other v1: 30.7,-3.5 31.5,-3.5 32.3,-3.5 33.1,-3.5 33.9,-3.5 34.7,-3.5 35.5,-3.5 36.3,-3.5 37.1,-3.5 30.7,-2.7 31.5,-2.7 32.3,-2.7 33.1,-2.7 33.9,-2.7 34.7,-2.7 35.5,-2.7 36.3,-2.7 37.1,-2.7
HEATER_CTRL: MD1.57 Q5.4 R33.2 TP18.1 | length 39.4
  Top Layer w0.152: TP18.1@30.374,0.273 TP18.1@30.4,0.246 R33.2@30.4,-1.054 31.047,-1.7 v1(32.2,-1.7) 32.202,-1.702 32.999,-1.702 Q5.4@33,-1.704 ; v1(48.1,-0.1) 50.1,-2.1 50.1,-4.4 53.05,-7.35 55.35,-7.35 57.5,-9.5 v1(57.5,-10.1)
  Bottom Layer w0.152: v1(32.2,-1.7) 36.7,-1.7 38.7,0.3 45.9,0.3 46.3,-0.1 v1(48.1,-0.1) ; v1(57.5,-10.1) 58.001,-10.601 59.649,-10.601 MD1.57@60.15,-10.1
HEATER_PWR: C41.2 C62.2 C65.2 C81.2 C82.2 J2.7 J2.8 J2.9 J2.10 J2.11 J2.12 J2.13 J2.14 J2.15 J2.16 J2.17 J2.18 J2.19 J2.20 J2.21 J2.22 R71.2 U7.14 U7.15 U7.16 | length 0.4
  Top Layer w0.152: 22.8,0.9 v1(23.1,0.9)
  Bottom Layer w0.152: v1@23,1.7 v1(23.1,1.7)
  other v1: 20.6,0 21.4,0 22.2,0 23.1,0 23.9,0 24.7,0 20.6,0.9 21.4,0.9 22.2,0.9 23.9,0.9 24.7,0.9 20.6,1.7 21.4,1.7 22.2,1.7 23.9,1.7 24.7,1.7
HEATER_PWR_EN: MD1.36 R26.1 U7.2 | length 58.2
  Top Layer w0.152: R26.1@7.6,-2.8 v1(8.5,-2.8) 9.072,-2.228 U7.2@9.424,-2.228 ; v1(17.15,-3.8) 18.389,-5.039 18.389,-5.239 19.55,-6.4 21.8,-6.4 v1(22.3,-5.9)
  Bottom Layer w0.152: v1(8.5,-2.8) 13.95,-2.8 14.65,-3.5 16.79,-3.5 17.09,-3.8 v1(17.15,-3.8) ; v1(22.3,-5.9) 27.7,-5.9 28,-5.6 40.3,-5.6 41.3,-4.6 43.6,-4.6 44.1,-5.1 51.3,-5.1 52.8,-6.6 56.9,-6.6 57.518,-7.218 58.918,-7.218 59.6,-7.9 MD1.36@59.6,-9.2
HTR_BOOT: C31.2 U7.8 | length 1.5
  Top Layer w0.152: U7.8@12.424,-2.228 12.424,-3.324 C31.2@12.7,-3.6
HTR_COMP: C37.2 R56.2 U7.18 | length 4.7
  Top Layer w0.152: R56.2@7.7,4.1 C37.2@7.7,2.8 8.4,2.1 9.6,2.1 9.924,1.776 U7.18@9.924,1.072
HTR_FB: R71.1 R73.2 U7.17 | length 3
  Top Layer w0.152: R73.2@9,2.8 R71.1@10.2,2.8 10.424,2.576 U7.17@10.424,1.072
HTR_FSW: R54.1 U7.3 | length 1.1
  Top Layer w0.152: R54.1@9.9,-3.3 9.924,-3.276 U7.3@9.924,-2.228
HTR_ILIM: R70.2 U7.19 | length 2.5
  Top Layer w0.152: R70.2@7.1,1.6 7.841,1.6 8.368,1.072 U7.19@9.424,1.072